# Altium PCB PCB_ESP_R8_POE_3C v2_2023-10-08.pcbdoc (part 1 of 3) (continued)
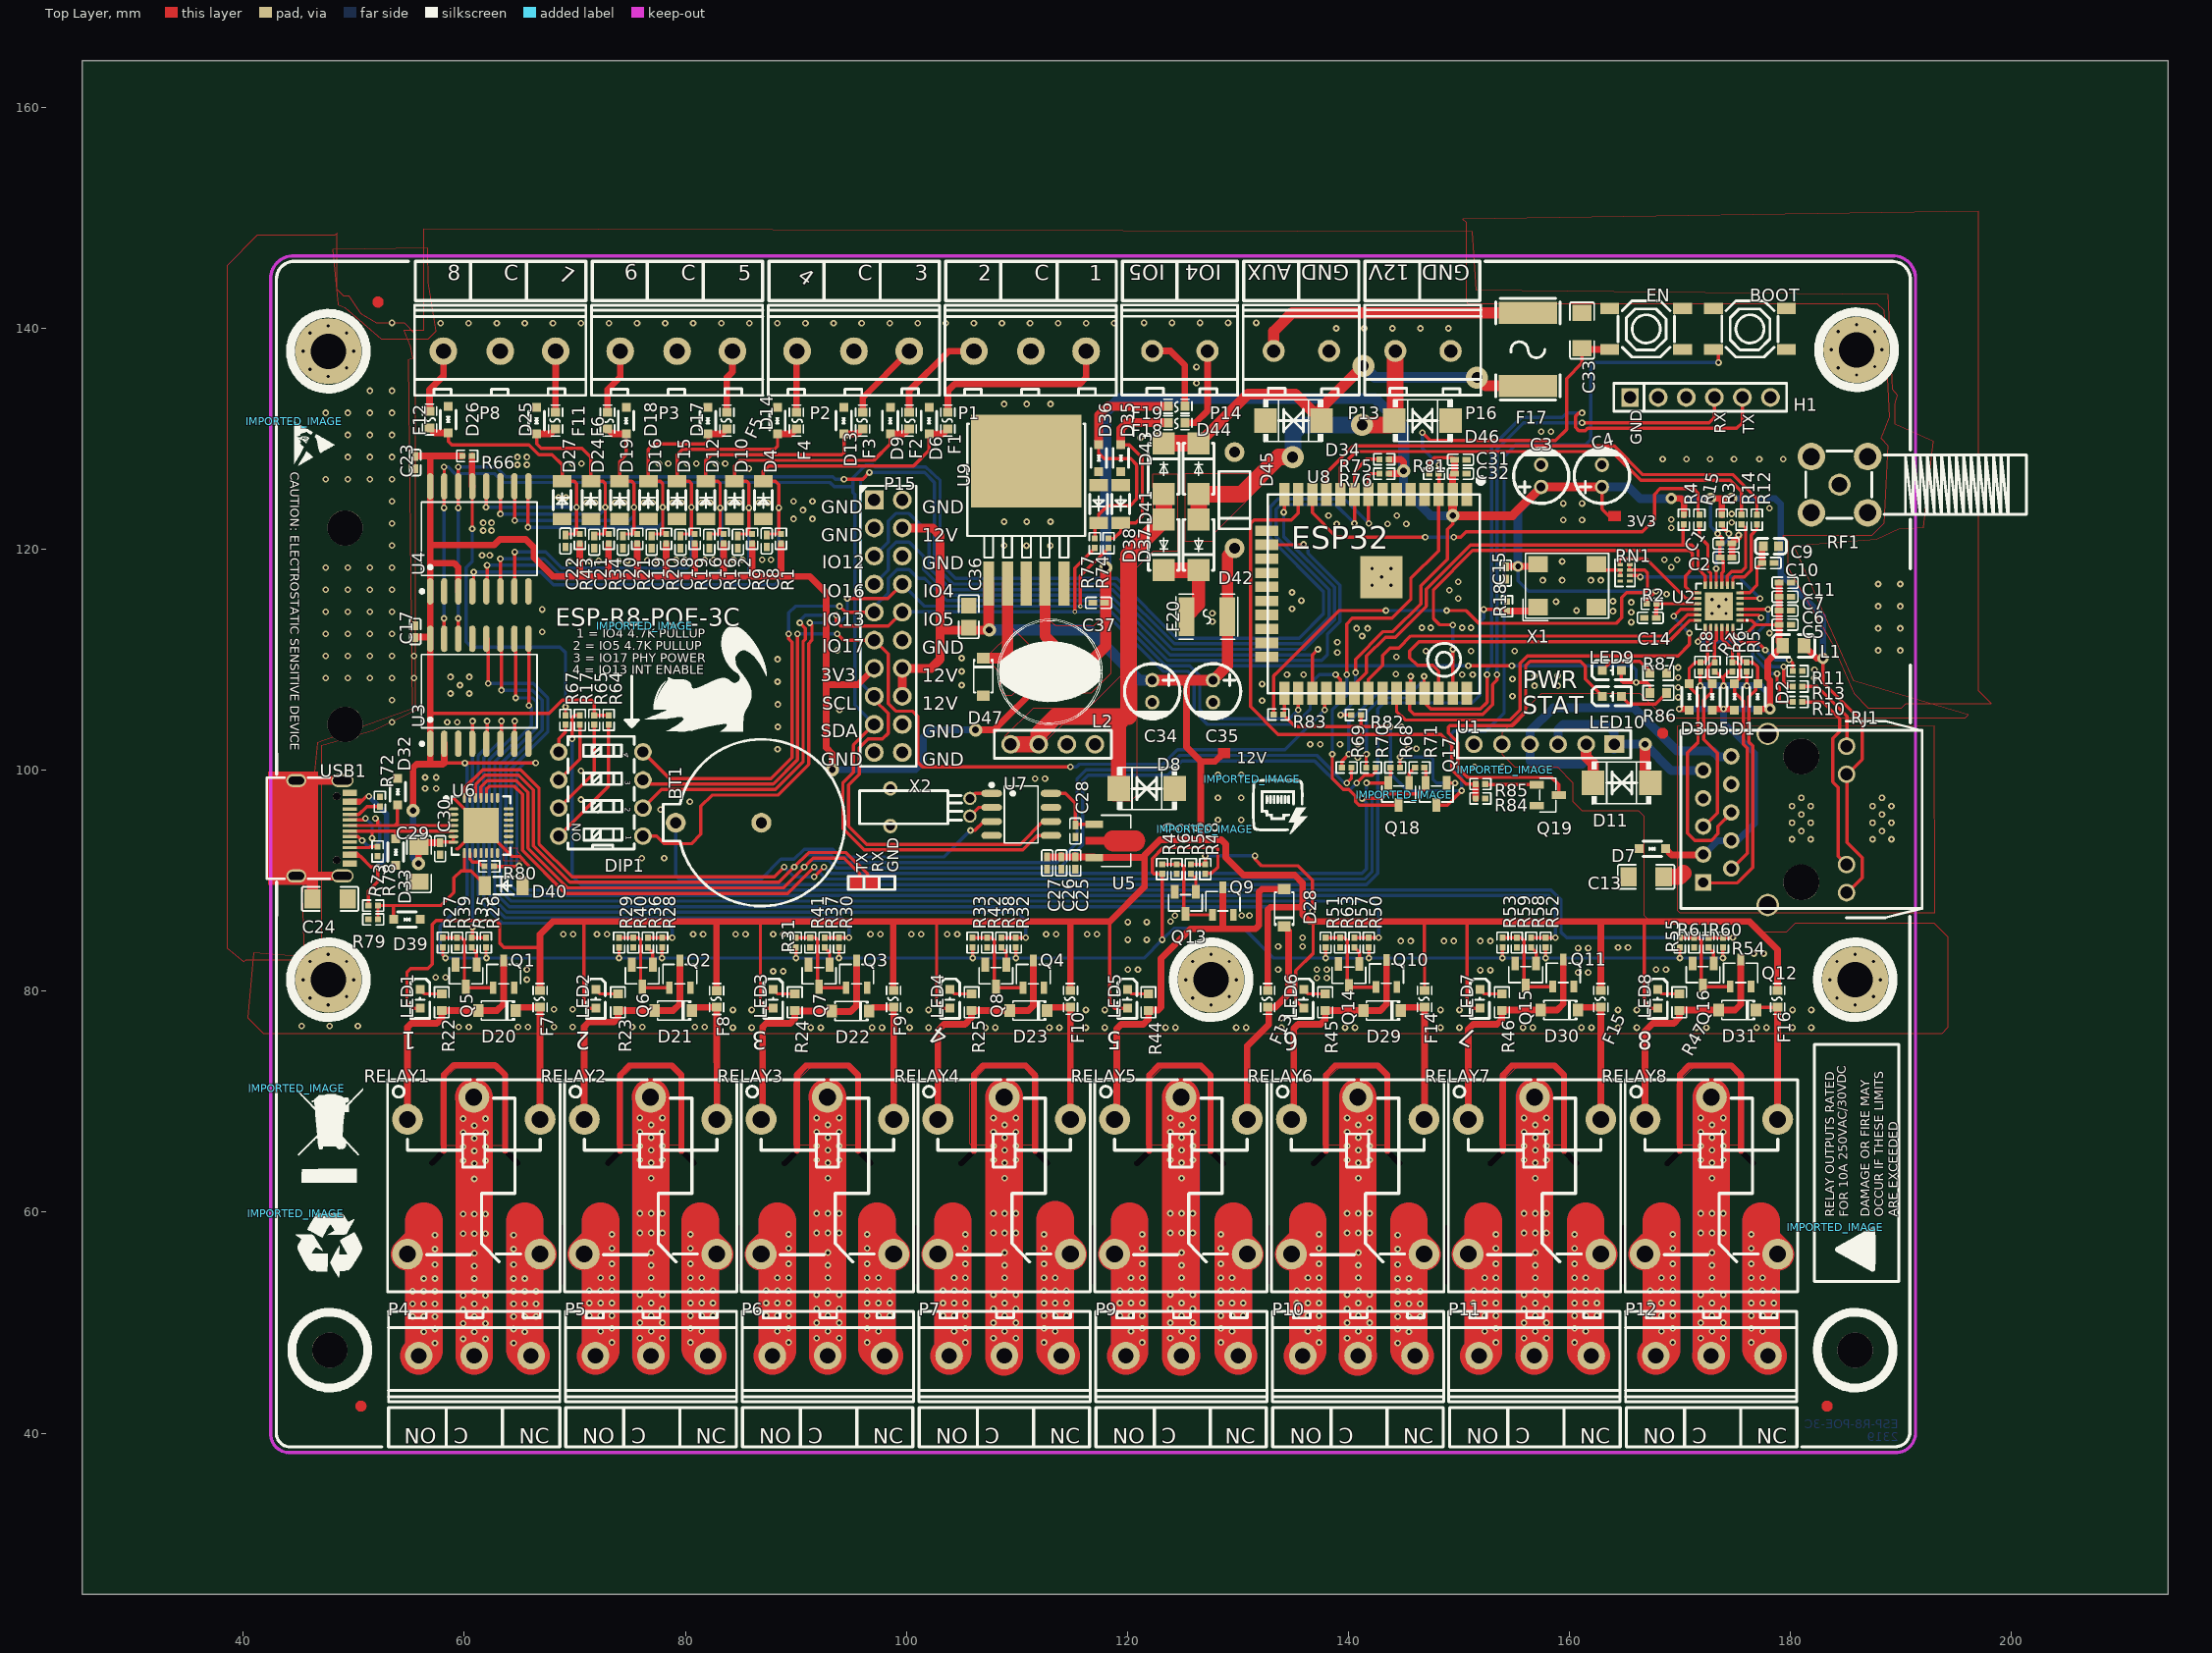
[diagram p0: Top Layer view]
## Components (designator, comment, footprint, x,y, rotation, side; value= is the part's Value field where it differs from the comment) (continued)
R82 "12.1K" R0402 140.7,105.011 r0 top
R83 "470" R0402 133.667,105.052 r180 top
R84 "10K" R0402 151.95,97.46 r0 top
R85 "510Ω" R0402 151.95,98.76 r0 top
R86 "2.2kΩ" R0603 168.051,107.01 r0 top
R87 "2.2kΩ" R0603 168.051,108.811 r0 top
RELAY1 "SRD-12VDC-SL-C" RELAY-TH_SRD-XXVDC-XL-C#1 60.85,63.311 r270 top
RELAY2 "SRD-12VDC-SL-C" RELAY-TH_SRD-XXVDC-XL-C#2 76.85,63.311 r270 top
RELAY3 "SRD-12VDC-SL-C" RELAY-TH_SRD-XXVDC-XL-C#1 92.85,63.311 r270 top
RELAY4 "SRD-12VDC-SL-C" RELAY-TH_SRD-XXVDC-XL-C#1 108.85,63.311 r270 top
RELAY5 "SRD-12VDC-SL-C" RELAY-TH_SRD-XXVDC-XL-C#1 124.85,63.311 r270 top
RELAY6 "SRD-12VDC-SL-C" RELAY-TH_SRD-XXVDC-XL-C#1 140.85,63.311 r270 top
RELAY7 "SRD-12VDC-SL-C" RELAY-TH_SRD-XXVDC-XL-C#1 156.85,63.311 r270 top
RELAY8 "SRD-12VDC-SL-C" RELAY-TH_SRD-XXVDC-XL-C#1 172.85,63.311 r270 top
RF1 "SMA" SMA-TH_HJ-SMA200 184.45,125.861 r180 top
RJ1 "HY931147C" RJ45-TH_HY931147C 178.6,95.561 r180 top
RN1 "33" RES-ARRAY-SMD_0402-8P-L2.0-W1.0-BL 165.036,117.879 r270 top
U1 "BPI7402" BPI7402 136.75,102.361 r180 top
U2 "LAN8720AI-CP-TR" QFN-24_L4.0-W4.0-P0.50-BL-EP2.6 173.545,114.831 r90 top
U3 "PCF8574T/3,518" SOIC-16_L10.3-W7.5-P1.27-LS10.3-BL 61.35,107.161 r0 top
U4 "PCF8574T/3,518" SOIC-16_L10.3-W7.5-P1.27-LS10.3-BL 61.351,120.96 r0 top
U5 "78L05G-AB3-R" SOT-89-3_L4.5-W2.5-P1.50-LS4.2-BR 118.35,93.612 r180 top
U6 "CP2102-GMR" WQFN-28_L5.0-W5.0-P0.50-BL-EP3.2 61.5,95.011 r270 top
U7 "DS1307ZN+" SOP-8_L4.9-W3.9-P1.27-LS6.0-BL 110.401,96.01 r270 top
U8 "ESP32-WROOM-32U-N16" WIFIM-SMD_38P-L19.2-W18.0-P1.27 141.667,115.973 r0 top
U9 "LM2596S-3.3" TO-263-5_L10.0-W8.4-P1.70-LS15.3-BR 110.849,122.461 r270 top
USB1 "KH-TYPE-C-16P" USB-C-SMD_KH-TYPE-C-16P 47.2,94.761 r270 top
X1 "50MHz" OSC-SMD_4P-L7.0-W5.0-BL 159.8,116.711 r0 top
X2 "32.768KHz" OSC-TH_BD3.1-P0.8-D0.3 105.75,96.661 r0 top

## Footprints (in the part's own frame and the unit in brackets; to place one, negate y for a bottom-side part, rotate by r counter-clockwise, add the part's x,y. Pads: shape width x height; smd on the part's side, far side on the other; paste and mask are expansions set on the pad)
BAT-TH_BS-12-A1AJ002-F [mm]
  round 1.8 hole 1 paste+0 mask+0.051: 1(0,3.875) 2(0,-3.875)
  silkscreen extent -7.55,-11.42 7.55,5.02
BPI7402 [mm]
  rect 1.8x1.6 hole 1.02 paste+0 mask+0.051: 1(-27.31,0)
  round 1.6 hole 1.02 paste+0 mask+0.051: 2(-24.77,0) 3(-22.23,0) 4(-19.69,0) 5(-17.15,0) 6(-14.61,0)
  round 1.7 hole 1.1 paste+0 mask+0.051: 7(19.69,0) 8(22.23,0) 9(24.77,0) 10(27.31,0)
  silkscreen extent -28.81,-1.27 28.79,1.27
C0402 [mm]
  rect 0.79x0.54 smd paste-100 mask+0.051: 1(-0.545,0) 2(0.545,0)
  silkscreen extent -1.17,-0.5 1.17,0.5
C0402_NEW [mm]
  rect 0.79x0.54 smd paste-100 mask+0.051: 1(-0.545,0) 2(0.545,0)
  silkscreen extent -1.17,-0.5 1.17,0.5
C0603 [mm]
  rect 0.8x0.9 smd paste+0 mask+0.051: 1(-0.7,0) 2(0.7,0)
  silkscreen extent -1.41,-0.71 1.39,0.72
C0805 [mm]
  rect 1.41x1.35 smd paste-100 mask+0.051: 1(-1,0) 2(1,0)
  silkscreen extent -1.96,-0.9 1.96,0.9
C1206 [mm]
  rect 1.485x1.728 smd paste-100 mask+0.051: 1(-1.593,0) 2(1.593,0)
  silkscreen extent -2.56,-1.09 2.56,1.09
CAP-TH_BD5.0-P2.00-D0.8-FD [mm]
  round 1.3 hole 0.8 paste+0 mask+0.051: 1(-1,0) 2(1,0)
  silkscreen extent -2.5,-2.5 2.5,2.5
CONN-TH_2P-P5.00_CPC3703CTR [mm]
  round 2 hole 1.2 paste+0 mask+0.051: 1(-2.504,0) 2(2.504,0)
  silkscreen extent -5.24,-4.16 5.27,4
CONN-TH_3P-P5.00_WJ127-5.0-3P [mm]
  round 2.5 hole 1.4 paste+0 mask+0.051: 1(-5.08,0) 2(-0.071,0) 3(5.08,0)
  silkscreen extent -7.82,-4.16 7.69,4
DO-41_BD2.4-L4.7-P8.70-D0.9-RD [mm]
  round 1.8 hole 1 paste+0 mask+0.051: 1(-4.35,0) 2(4.35,0)
  silkscreen extent -2.6,-1.4 2.6,1.4
DO-214AC_L4.3-W2.7-LS5.3-RD [mm]
  rect 2x2 smd paste+0 mask+0.051: 1(-2.3,0) 2(2.3,0)
  silkscreen extent -2.3,-1.4 2.3,1.4
F0603 [mm]
  rect 0.806x0.864 smd paste-100 mask+0.051: 1(-0.753,0) 2(0.753,0)
  silkscreen extent -1.4,-0.64 1.4,0.64
F1812 [mm]
  rect 1.407x3.499 smd paste-100 mask+0.051: 1(-1.853,0) 2(1.853,0)
  silkscreen extent -2.79,-2.03 2.79,2.03
F2920 [mm]
  rect 2x5.3 smd paste+0 mask+0.051: 1(-3.3,0) 2(3.3,0)
  silkscreen extent -4.6,-2.9 4.6,2.9
HDR-TH_06P-P2.54-V-M [mm]
  rect 1.575x1.7 hole 1.1 paste+0 mask+0.051: 1(-6.35,0)
  round 1.7 hole 1.1 paste+0 mask+0.051: 2(-3.81,0) 3(-1.27,0) 4(1.27,0) 5(3.81,0) 6(6.35,0)
  silkscreen extent -7.82,-1.27 7.82,1.27
HDR-TH_20P-P2.54-V-R2-C10-S2.54 [mm]
  rect 1.7x1.7 hole 1.1 paste+0 mask+0.051: 1(-11.43,-1.27)
  round 1.7 hole 1.1 paste+0 mask+0.051: 2(-11.43,1.27) 3(-8.89,-1.27) 4(-8.89,1.27) 5(-6.35,-1.27) 6(-6.35,1.27) 7(-3.81,-1.27) 8(-3.81,1.27) 9(-1.27,-1.27) 10(-1.27,1.27) 11(1.27,-1.27) 12(1.27,1.27) 13(3.81,-1.27) 14(3.81,1.27) 15(6.35,-1.27) 16(6.35,1.27) 17(8.89,-1.27) 18(8.89,1.27) 19(11.43,-1.27) 20(11.43,1.27)
  silkscreen extent -12.7,-2.54 12.7,2.54
IMPORTED_IMAGE [mm]
IND-TH_BD9.0-P3.50-D0.6_VL0810 [mm]
  round 1.5 hole 1 paste+0 mask+0.051: 1(-2.75,0) 2(2.75,0)
  silkscreen extent -4.75,-4.79 4.74,4.71
L0805 [mm]
  rect 1.133x1.377 smd paste-100 mask+0.051: 1(-0.966,0) 2(0.966,0)
  silkscreen extent -1.95,-1.02 1.86,1.02
LED0603-R-RD_WHITE [mm]
  rect 0.8x0.8 smd paste+0 mask+0.051: 1(0.851,0) 2(-0.851,0)
  silkscreen extent -1.82,-0.86 1.77,0.86
LL-34_L3.5-W1.5-RD [mm]
  rect 1.1x1.7 smd paste+0 mask+0.051: 1(-1.7,0) 2(1.7,0)
  silkscreen extent -0.9,-0.8 0.9,0.8
OSC-SMD_4P-L7.0-W5.0-BL [mm]
  rect 1.8x1.5 smd paste+0 mask+0.051: 1(-2.64,-1.95) 2(2.64,-1.95) 3(2.64,1.95) 4(-2.64,1.95)
  silkscreen extent -4,-3.16 3.77,2.93
OSC-TH_BD3.1-P0.8-D0.3 [mm]
  round 1.2 hole 0.8 paste+0 mask+0.051: 1(0,0.8) 2(0,-0.8)
  silkscreen extent -10,-1.5 -0.7,1.5
QFN-24_L4.0-W4.0-P0.50-BL-EP2.6 [mm]
  rect 0.28x0.665 smd paste-100 mask+0.05: 1(-1.25,-1.907) 2(-0.75,-1.907) 3(-0.25,-1.907) 4(0.25,-1.907) 5(0.75,-1.907) 6(1.25,-1.907) 13(1.25,1.907) 14(0.75,1.907) 15(0.25,1.907) 16(-0.25,1.907) 17(-0.75,1.907) 18(-1.25,1.907)
  rect 0.665x0.28 smd paste-100 mask+0.05: 7(1.907,-1.25) 8(1.907,-0.75) 9(1.907,-0.25) 10(1.907,0.25) 11(1.907,0.75) 12(1.907,1.25) 19(-1.907,1.25) 20(-1.907,0.75) 21(-1.907,0.25) 22(-1.907,-0.25) 23(-1.907,-0.75) 24(-1.907,-1.25)
  rect 2.55x2.55 smd paste-100 mask+0.05: 25(0,0)
  silkscreen extent -2.08,-2.61 2.08,2.08
R0402 [mm]
  rect 0.566x0.54 smd paste-100 mask+0.051: 1(-0.433,0) 2(0.433,0)
  silkscreen extent -0.94,-0.5 0.94,0.5
R0603 [mm]
  rect 0.806x0.864 smd paste-100 mask+0.051: 1(-0.753,0) 2(0.753,0)
  silkscreen extent -1.39,-0.66 1.39,0.66
RELAY-TH_SRD-XXVDC-XL-C#1 [mil]
  round 110 hole 60 paste+0 mask+2: 1(-200.79,-236.22) 2(279.53,-236.2) 3(279.53,236.2) 4(-200.79,236.22) 5(-279.53,0)
  silkscreen extent -342,-307 413,307
RELAY-TH_SRD-XXVDC-XL-C#2 [mil]
  round 110 hole 60 paste+0 mask+2: 1(-200.79,-236.22) 4(-200.79,236.22)
  round 110 hole 60 paste+0 mask+2.01: 2(279.52,-236.22) 3(279.53,236.18) 5(-279.52,0)
  silkscreen extent -342,-307 413,307
RES-ARRAY-SMD_0402-8P-L2.0-W1.0-BL [mm]
  rect 0.3x0.505 smd paste+0 mask+0.051: 1(-0.75,0.427) 2(-0.25,0.427) 3(0.25,0.427) 4(0.75,0.427) 5(0.75,-0.428) 6(0.25,-0.428) 7(-0.25,-0.428) 8(-0.75,-0.428)
  silkscreen extent -1.23,-0.91 1.23,0.91
RJ45-TH_HY931147C [mm]
  rect 1.5x1.5 hole 0.9 paste+0 mask+0.051: 1(6.49,5.715)
  round 1.5 hole 0.9 paste+0 mask+0.051: 2(3.95,4.445) 3(6.49,3.175) 4(3.95,1.905) 5(6.49,0.635) 6(3.95,-0.635) 7(6.49,-1.905) 8(3.95,-3.175) 9(6.49,-4.445) 10(3.95,-5.715)
  round 1.6 hole 1.1 paste+0 mask+0.051: 11(-6.49,6.629) 12(-6.49,4.089) 13(-6.49,-4.089) 14(-6.49,-6.629)
  round 2.029 hole 1.631 paste+0 mask+0.051: GND1(0.648,7.747) GND2(0.648,-7.747)
  round 3.25 hole 3.25 unplated paste+0: ""(-2.4,5.7) ""(-2.4,-5.7)
  silkscreen extent -13.32,-8.89 8.52,8.89
SMA-TH_HJ-SMA200 [mm]
  round 2 hole 1.4 paste+0 mask+0.051: 1(0,0)
  round 2.5 hole 1.55 paste+0 mask+0.051: 2(-2.55,2.55) 3(-2.55,-2.55) 4(2.55,-2.55) 5(2.55,2.55)
  silkscreen extent -16.92,-3.05 3.05,3.05
SMB_L4.4-W3.6-LS5.4-BI [mil]
  rect 80.61x88.23 smd paste+0 mask+2: 1(-100,0) 2(100,0)
  silkscreen extent -105,-75 108,75
SMB_L4.6-W3.6-LS5.3-BI [mm]
  rect 2.047x2.241 smd paste+0 mask+0.051: 1(-2.591,0) 2(2.591,0)
  silkscreen extent -2.67,-1.91 2.74,1.91
SOD-123_L2.8-W1.8-LS3.7-RD [mm]
  rect 0.95x1.15 smd paste+0 mask+0.051: 1(-1.693,0) 2(1.693,0)
  silkscreen extent -1.58,-0.87 1.41,0.87
SOD-323_L1.7-W1.3-LS2.5-BI [mm]
  rect 0.8x0.8 smd paste+0 mask+0.051: 1(-1.205,0) 2(1.205,0)
  silkscreen extent -0.86,-0.68 0.84,0.72
SOIC-16_L10.3-W7.5-P1.27-LS10.3-BL [mm]
  oval 0.574x2.401 smd paste+0 mask+0.051: 1(-4.445,-4.75) 2(-3.175,-4.75) 3(-1.905,-4.75) 4(-0.635,-4.75) 5(0.635,-4.75) 6(1.905,-4.75) 7(3.175,-4.75) 8(4.445,-4.75) 9(4.445,4.75) 10(3.175,4.75) 11(1.905,4.75) 12(0.635,4.75) 13(-0.635,4.75) 14(-1.905,4.75) 15(-3.175,4.75) 16(-4.445,4.75)
  silkscreen extent -5.33,-4.9 5.23,3.32
SOP-8_L4.9-W3.9-P1.27-LS6.0-BL [mm]
  oval 0.63x1.865 smd paste+0 mask+0.051: 1(-1.905,-2.682) 2(-0.635,-2.682) 3(0.635,-2.682) 4(1.905,-2.682) 5(1.905,2.682) 6(0.635,2.682) 7(-0.635,2.682) 8(-1.905,2.682)
  silkscreen extent -2.82,-2.83 2.58,1.52
SOT-23-3_L2.9-W1.3-P1.90-LS2.4-BR [mm]
  rect 1.25x0.7 smd paste+0 mask+0.051: 1(1,-0.95) 2(1,0.95) 3(-1,0)
  silkscreen extent -0.73,-1.53 0.73,1.53
SOT-23-3_L2.9-W1.6-P1.90-LS2.8-BR [mm]
  rect 1.07x0.6 smd paste+0 mask+0.051: 1(1.235,-0.95) 2(1.235,0.95) 3(-1.235,0)
  silkscreen extent -0.88,-1.54 0.88,1.54
SOT-89-3_L4.5-W2.5-P1.50-LS4.2-BR [mm]
  rect 1.575x0.672 smd paste+0 mask+0.051: 1(1.356,-1.5) 3(1.356,1.5)
  Top Layer region: -2.283,0.95 -0.429,0.95 -0.384,0.949 -0.34,0.946 -0.296,0.94 -0.252,0.933 -0.208,0.924 -0.165,0.912 -0.123,0.899 -0.081,0.884 -0.04,0.866 0,0.847 0.04,0.826 0.078,0.803 0.115,0.779 0.151,0.752 0.185,0.724 0.219,0.695 0.251,0.664 0.281,0.631 0.31,0.597 0.337,0.562 0.362,0.525 0.386,0.488 0.408,0.449 0.428,0.409 0.447,0.33 2.144,0.33 2.144,-0.33 0.447,-0.33 0.428,-0.409 0.408,-0.449 0.386,-0.488 0.362,-0.526 0.337,-0.562 0.31,-0.597 0.281,-0.631 0.251,-0.664 0.219,-0.695 0.185,-0.725 0.151,-0.753 0.115,-0.779 0.078,-0.804 0.04,-0.827 0,-0.848 -0.04,-0.867 -0.081,-0.884 -0.123,-0.899 -0.165,-0.913 -0.208,-0.924 -0.252,-0.934 -0.296,-0.941 -0.34,-0.946 -0.384,-0.949 -0.429,-0.95 -2.283,-0.95 -2.328,-0.949 -2.372,-0.946 -2.416,-0.941 -2.46,-0.934 -2.504,-0.924 -2.547,-0.913 -2.589,-0.899 -2.631,-0.884 -2.672,-0.867 -2.713,-0.848 -2.752,-0.827 -2.79,-0.804 -2.827,-0.779 -2.863,-0.753 -2.898,-0.725 -2.931,-0.695 -2.963,-0.664 -2.993,-0.631 -3.022,-0.597 -3.049,-0.562 -3.075,-0.526 -3.098,-0.488 -3.12,-0.449 -3.141,-0.409 -3.159,-0.369 -3.175,-0.327 -3.189,-0.285 -3.202,-0.242 -3.212,-0.199 -3.22,-0.155 -3.227,-0.111 -3.231,-0.067 -3.233,-0.022 -3.233,0.022 -3.231,0.067 -3.227,0.111 -3.22,0.155 -3.212,0.199 -3.202,0.242 -3.189,0.285 -3.175,0.327 -3.159,0.369 -3.141,0.409 -3.12,0.449 -3.098,0.488 -3.075,0.525 -3.049,0.562 -3.022,0.597 -2.993,0.631 -2.963,0.664 -2.931,0.695 -2.898,0.724 -2.863,0.752 -2.827,0.779 -2.79,0.803 -2.752,0.826 -2.713,0.847 -2.672,0.866 -2.631,0.884 -2.589,0.899 -2.547,0.912 -2.504,0.924 -2.46,0.933 -2.416,0.94 -2.372,0.946 -2.328,0.949
  silkscreen extent -1.95,-2.33 0.7,2.33
SW-SMD_4P-L5.1-W5.1-P3.70-LS6.5-TL-2 [mm]
  rect 1.7x1 smd paste+0 mask+0.051: 1(-3.3,1.85) 2(3.3,1.85) 3(-3.3,-1.85) 4(3.3,-1.85)
  silkscreen extent -2.55,-2.55 2.55,2.55
SW-TH_DSIC04LHGET [mm]
  round 1.6 hole 1 paste+0 mask+0.051: 1(-3.81,-3.81) 2(-1.27,-3.81) 3(1.27,-3.81) 4(3.81,-3.81) 5(3.81,3.81) 6(1.27,3.81) 7(-1.27,3.81) 8(-3.81,3.81)
  silkscreen extent -4.97,-3.03 5.21,2.98
TO-263-5_L10.0-W8.4-P1.70-LS15.3-BR [mm]
  rect 4x1.02 smd paste+0 mask+0.051: 1(5.55,-3.4) 2(5.55,-1.7) 3(5.55,0) 4(5.55,1.7) 5(5.55,3.4)
  rect 8.4x10 smd paste+0 mask+0.051: 6(-5.55,0)
  silkscreen extent -8.91,-5.33 3.2,5.33
USB-C-SMD_KH-TYPE-C-16P [mm]
  oval 1.2x2 hole 0.7 slot 1.7 at 90 deg paste+0 mask+0.051: 1(-4.32,1.765) 2(4.32,1.765)
  oval 1.2x1.8 hole 0.7 slot 1.4 at 90 deg paste+0 mask+0.051: 3(-4.32,-2.415) 4(4.32,-2.415)
  rect 0.3x1.3 smd paste-100 mask+0.05: A1(-3.35,2.415) A4(-2.55,2.415) A5(-1.25,2.415) A6(-0.25,2.415) A7(0.25,2.415) A8(1.25,2.415) A9(2.55,2.415) A12(3.35,2.415) B1(3.05,2.415) B4(2.25,2.415) B5(1.75,2.415) B6(0.75,2.415) B7(-0.75,2.415) B8(-1.75,2.415) B9(-2.25,2.415) B12(-3.05,2.415)
  round 0.7 hole 0.7 unplated paste+0: ""(-2.89,1.235) ""(2.89,1.235)
  silkscreen extent -4.57,-5.08 4.57,0.57
WIFIM-SMD_38P-L19.2-W18.0-P1.27 [mm]
  rect 0.95x2.1 smd paste+0 mask+0.051: 1(9.045,9) 2(7.775,9) 3(6.505,9) 4(5.235,9) 5(3.965,9) 6(2.695,9) 7(1.425,9) 8(0.155,9) 9(-1.115,9) 10(-2.385,9) 11(-3.655,9) 12(-4.925,9) 13(-6.195,9) 14(-7.465,9) 25(-7.465,-9) 26(-6.195,-9) 27(-4.925,-9) 28(-3.655,-9) 29(-2.385,-9) 30(-1.115,-9) 31(0.155,-9) 32(1.425,-9) 33(2.695,-9) 34(3.965,-9) 35(5.235,-9) 36(6.505,-9) 37(7.775,-9) 38(9.045,-9)
  rect 2.1x0.95 smd paste+0 mask+0.051: 15(-9.045,5.715) 16(-9.045,4.445) 17(-9.045,3.175) 18(-9.045,1.905) 19(-9.045,0.635) 20(-9.045,-0.635) 21(-9.045,-1.905) 22(-9.045,-3.175) 23(-9.045,-4.445) 24(-9.045,-5.715)
  rect 3.8x3.8 smd paste+0 mask+0.051: 39(1.32,1.51)
  silkscreen extent -8.96,-9 10.55,10.51
WQFN-28_L5.0-W5.0-P0.50-BL-EP3.2 [mm]
  oval 0.28x0.9 smd paste-100 mask+0.051: 1(-1.501,-2.5) 2(-1.001,-2.5) 3(-0.501,-2.5) 4(0,-2.5) 5(0.5,-2.5) 6(1.001,-2.5) 7(1.501,-2.5) 15(1.501,2.5) 16(1.001,2.5) 17(0.5,2.5) 18(0,2.5) 19(-0.501,2.5) 20(-1.001,2.5) 21(-1.501,2.5)
  oval 0.9x0.28 smd paste-100 mask+0.051: 8(2.5,-1.501) 9(2.5,-1.001) 10(2.5,-0.5) 11(2.5,0) 12(2.5,0.5) 13(2.5,1.001) 14(2.5,1.501) 22(-2.5,1.501) 23(-2.5,1.001) 24(-2.5,0.5) 25(-2.5,0) 26(-2.5,-0.5) 27(-2.5,-1.001) 28(-2.5,-1.501)
  rect 3.2x3.2 smd paste-100 mask+0.051: 29(0,0)
  silkscreen extent -2.65,-3.3 2.65,2.65

## Free pads (board coordinates)
  round 6 hole 3.2 paste+0 mask+0.051: 2(47.688,81.049) 2(47.688,137.945) 2(127.571,81.049) 2(185.864,81.049) 2(185.991,138.072)
  round 1.3 hole 0.8 paste+0 mask+0.051: 2(98.55,94.961) 2(98.55,98.361)
  rect 0.95x1.15 smd paste+0 mask+0.051: 2(157.407,78.311)
  round 3.2 hole 3.2 unplated paste+0: ""(47.815,47.521) ""(49.212,104.163) ""(49.212,121.943) ""(185.864,47.521)
  round 0.6 hole 0.3 paste+0 mask+0.051: ""(180.148,95.262) ""(180.149,93.762) ""(180.149,96.762) ""(180.998,97.512) ""(180.999,94.512) ""(180.999,96.012) ""(181.848,93.762) ""(181.848,95.262) ""(181.848,96.762) ""(187.448,93.762) ""(187.448,95.262) ""(187.448,96.762) ""(188.298,97.512) ""(188.299,94.512) ""(188.299,96.012) ""(189.148,93.762) ""(189.148,95.262) ""(189.148,96.762)

## Via types
v1: diameter 0.6, hole 0.3, Top Layer to Bottom Layer, tented both sides, 1151 vias
v2: diameter 1.2, hole 0.6, Top Layer to Bottom Layer, tented both sides, 9 vias
v3: diameter 1, hole 0.5, Top Layer to Bottom Layer, tented both sides, 6 vias
v4: diameter 2, hole 1, Top Layer to Bottom Layer, tented both sides, 4 vias
v5: diameter 0.4, hole 0.2, Top Layer to Bottom Layer, tented both sides, 2 vias

## Nets (pads, with @x,y where several pads share a name; then routed paths per layer and width w, separated by ;. In a path a pad name is that pad's centre, name@x,y a point inside that pad or via, vN(x,y) a via of type N, cw(c..) or ccw(c..) an arc to the next point about the centre after c; other vN are vias at no path point)
3V3: C1.1 C2.1 C3.1 C4.1 C15.1 C17.1 C23.1 C29.2 C30.1 C31.1 C32.1 C37.1 L1.1 L2.2 P15.13 R1.1 R2.1 R3.1 R4.1 R9.1 R16.1 R19.1 R20.1 R21.1 R26.1 R27.1 R28.1 R29.1 R30.1 R31.1 R32.1 R33.1 R34.1 R43.1 R48.1 R49.1 R50.1 R51.1 R52.1 R53.1 R54.1 R55.1 R64.1 R65.1 R66.1 R75.1 R76.1 R80.2 R81.1 R82.1 RJ1.11 RJ1.13 U2.9 U3.1 U3.2 U3.16 U4.1 U4.3 U4.16 U6.6 U6.7 U8.2 U9.4 X1.4 | length 602.7
  Top Layer w0.3: 56.949,105.362 56.949,105.161 67.65,105.161 68.849,106.36 71.549,106.36 71.749,106.162 R65.1@71.749,104.995 R64.1@73.05,104.995 ; C30.1@57.8,93.456 57.854,93.51 U6.7@59,93.51 U6.6@59,94.01 ; R27.1@58.051,83.978 58.051,83.261 v1(58.3,83.011) ; 58.15,100.661 58.226,100.661 v1(60.05,100.661) ; v1(60.05,100.661) v1(66.449,100.661) ; R26.1@61.95,83.978 61.95,83.061 v1(62,83.011) ; R80.2@62.683,91.311 64.9,91.311 v1(64.95,91.361) ; v1@73.992,83.01 R29.1@74,83.978 ; v1(77.892,83.01) R28.1@77.9,83.978 ; v1@90,83.011 R31.1@90,83.978 ; v1(93.899,83.01) R30.1@93.901,83.978 ; v1@105.999,83.01 R33.1@106,83.978 ; R32.1@109.9,83.978 v1@109.91,83.01 ; v1(123.154,84.664) R49.1@123.15,90.628 122.382,90.627 122.25,90.762 122.25,92.012 123.25,93.01 128.051,93.01 128.201,92.86 128.201,91.26 127.599,90.66 127.083,90.66 R48.1@127.05,90.628 ; v1(137.943,83.01) R51.1@137.95,83.978 ; v1(139.3,105.011) R82.1@140.267,105.011 ; v1(140.65,108.861) 140.65,110.061 143.149,112.56 144.05,112.56 146.55,115.06 146.55,116.711 148.95,119.111 148.95,121.811 149.451,122.311 v2@149.451,123.061 ; R50.1@141.851,83.978 v1(141.854,83.01) ; R81.1@147.317,126.861 147.317,127.878 147.75,128.311 149.405,128.311 C31.1@149.604,128.11 ; v1(153.945,83.01) R53.1@153.95,83.978 ; R52.1@157.85,83.978 v1(157.856,83.01) ; C4.1@162.95,125.661 162.95,123.661 163.75,122.861 ; R2.1@167.016,115.085 167.016,115.414 v1(167.83,116.228) ; v1(169.996,83.01) R55.1@170,83.978 ; v1(173.418,121.435) 173.799,121.054 173.799,120.71 C1.1@173.635,120.546 C2.1@173.635,119.276 173.926,118.985 173.926,118.006 173.794,117.874 U2.9@173.795,116.738 ; v1(173.901,83.01) R54.1@173.901,83.978 ; v3(182.943,110.132) 182.943,107.973 186.499,104.417 186.499,101.001 185.115,99.616 185.115,93.482 186.499,92.098 186.499,90.282 RJ1.11@185.115,88.898
  Top Layer w0.6: v2(55.351,96.36) 55.351,100.226 55.686,100.561 56.949,100.561 58.05,100.561 58.15,100.661 ; C17.1@55.55,112.016 55.595,112.061 U3.16@56.905,112.061 ; C23.1@55.549,128.405 55.549,128.461 57.65,128.461 ; v2(55.85,91.561) 55.849,93.104 C29.2@55.9,93.104 55.9,93.457 C30.1@57.8,93.456 ; 56.905,100.561 U3.1@56.905,102.411 ; U3.1@56.905,102.461 U3.16@56.905,112.061 ; U4.1@56.905,116.21 U3.16@56.905,112.061 ; U4.16@56.905,125.711 56.905,128.461 R66.1@59.818,128.461 ; U4.1@56.906,116.06 56.906,118.716 ; U4.16@56.906,125.71 56.906,120.762 56.906,120.389 ; 58.176,100.66 U3.2@58.176,102.461 ; U4.3@59.445,116.21 59.445,118.366 59.05,118.761 56.95,118.761 56.906,118.716 ; R43.1@70.449,120.527 70.449,117.561 ; R34.1@73.05,120.527 73.05,117.561 ; R21.1@75.65,120.528 75.65,117.561 ; R20.1@78.249,120.527 78.25,117.561 ; R19.1@80.85,120.527 80.85,117.561 ; R16.1@83.45,120.528 83.45,117.561 ; R9.1@86.05,120.527 86.05,117.561 ; 88.65,117.561 86.05,117.561 ; R1.1@88.651,120.527 88.651,117.561 91.249,117.561 92.75,116.06 92.75,107.762 ; v2@93.301,100.061 93.301,101.511 92.75,102.06 92.75,107.762 ; P15.13@97.091,109.243 95.61,107.762 92.75,107.762 ; v2(106.25,103.661) 107.949,103.66 112.2,107.911 114.7,107.911 L2.2@115.75,108.961 ; R76.1@143.682,126.871 145,126.871 145,127.112 145,127.912 144.749,128.161 R75.1@143.683,128.161 ; U8.2@149.442,124.973 149.442,126.698 C32.1@149.604,126.86 ; C32.1@149.55,126.76 149.55,126.806 C32.1@149.604,126.86 ; C31.1@149.605,128.111 C32.1@149.605,126.861 ; C15.1@154.251,118.387 154.325,118.461 v3(155.35,118.461) 156.96,118.461 X1.4@157.16,118.661 157.189,118.632 X1.4@157.189,118.438 ; v3(169.227,124.61) 170.116,124.61 170.37,124.356 R4.1@170.37,123.138 ; v3(172.783,124.61) v3(174.688,124.61) ; 173.785,124.61 173.799,124.596 R3.1@173.799,123.138 ; L1.1@181.242,111.275 182.385,110.132 v3(182.943,110.132) ; 56.906,118.717 56.906,120.389 ; 56.906,120.389 62.678,120.389 63.2,120.911 65.55,120.911 66.3,120.161 66.3,119.261 67.999,117.561 70.449,117.561 ; 70.449,117.561 73.05,117.561 ; 73.05,117.561 75.65,117.561 ; 75.65,117.561 78.25,117.561 ; 78.25,117.561 80.85,117.561 ; 80.85,117.561 83.45,117.561 ; 83.45,117.561 86.05,117.561
  Top Layer w0.8: U8.2@149.442,124.973 149.442,123.568 149.45,123.561 v2(149.45,123.061) 154.85,123.061 157.45,125.661 C4.1@162.95,125.661
  Top Layer w1: U9.4@112.549,116.911 112.55,112.161 L2.2@115.75,108.961 118.05,111.261 v2(118.05,118.361)
  Bottom Layer w0.3: v1(58.3,83.011) v1(62,83.011) ; v1@58.305,83.005 57.8,83.51 57.8,85.9 60.251,88.362 60.251,100.46 v1(60.05,100.661) ; v1@62.001,83.01 73.992,83.01 v1(77.892,83.01) 77.893,83.011 v1(90,83.011) v1(93.899,83.01) v1(93.899,83.01) v1(105.998,83.01) v1(109.909,83.01) 121.5,83.01 v1(123.154,84.664) 124.2,85.71 130.55,85.71 133.25,83.01 v1(137.943,83.01) v1(141.854,83.01) v1(153.945,83.01) v1(157.856,83.01) v1(169.996,83.01) v1(173.901,83.01) ; v1(64.95,91.361) 64.75,91.561 64.75,99.961 65.45,100.661 v1(66.449,100.661) ; v1@139.301,105.011 140.65,106.36 v1(140.65,108.861) ; v3(155.35,118.461) 155.35,117.161 156.283,116.228 v1(167.83,116.228) ; v3(172.783,124.61) 172.783,122.07 v1(173.418,121.435)
  Bottom Layer w0.6: v2(55.351,96.36) 55.351,92.06 v2(55.85,91.561) ; v2(93.3,100.061) 100.85,100.061 101.55,100.761 101.55,103.061 102.149,103.66 v2(106.25,103.661) ; v3(169.227,124.61) v3(172.783,124.61) ; v3(174.688,124.61) 178.625,124.61 179.133,124.102 179.133,117.752 182.943,113.942 v3(182.943,110.132)
  Bottom Layer w0.8: v2(145,127.111) 145,125.511 147.45,123.061 v2@149.45,123.061 ; v3(155.35,118.461) 155.35,123.561 C3.1@157.45,125.661 ; C4.1@162.95,125.661 165.348,125.661 166.399,124.61 v3(169.227,124.61)
  Bottom Layer w1: v2(118.05,118.361) 118.05,132.46 119.25,133.66 142.399,133.66 145,131.062 v2@145,127.112
  other v1: 73.991,83.01
12V: C25.1 C26.1 C27.1 C34.1 C35.1 C36.1 D45.1 F7.1 F8.1 F9.1 F10.1 F13.1 F14.1 F15.1 F16.1 F20.2 LED1.1 LED2.1 LED3.1 LED4.1 LED5.1 LED6.1 LED7.1 LED8.1 LED9.1 P15.4 P15.14 P15.16 R86.1 U5.3 U9.1 | length 393.8
  Top Layer w0.3: LED1.1@56,78.46 55.25,78.46 54.8,78.91 54.8,81.712 55.148,82.06 56.7,82.06 57.101,82.461 57.101,86.06 57.449,86.411 62.849,86.411 63.2,86.06 63.2,84.361 63.591,83.97 66.85,83.97 ; 70.835,86.312 70.835,78.877 71.252,78.46 LED2.1@71.9,78.46 ; 86.786,86.312 86.786,79.025 87.351,78.46 LED3.1@87.95,78.46 ; 102.737,86.312 102.737,79.073 103.35,78.46 LED4.1@103.95,78.46 ; 118.402,86.312 118.402,78.91 118.852,78.46 LED5.1@120,78.46 ; LED6.1@135.95,78.46 135.249,79.161 135.249,81.862 136.814,83.424 136.814,86.312 ; 146.89,86.312 F14.1@146.9,80.064 ; 150.726,86.312 150.726,78.986 151.252,78.46 LED7.1@151.9,78.46 ; v1(150.85,109.461) v1(154.8,109.461) ; LED9.1@164.701,109.061 164.701,108.11 164.85,107.961 v1(166.05,107.961) ; v1(166.05,107.961) 167,107.961 167.296,107.664 R86.1@167.298,107.01 ; 166.786,86.312 166.786,78.974 167.3,78.46 LED8.1@168,78.46
  Top Layer w0.6: F7.1@66.85,80.064 66.85,85.161 68,86.312 118.402,86.312 121.549,89.459 121.549,92.311 122.951,93.711 126.649,93.711 ; 82.806,86.312 82.806,80.086 F8.1@82.832,80.06 ; 98.799,86.312 98.799,80.115 F9.1@98.85,80.064 ; C27.1@112.75,92.155 113.87,92.156 C26.1@114.02,92.306 ; C26.1@114.02,92.155 115.14,92.156 C25.1@115.29,92.306 ; 114.838,86.312 F10.1@114.851,80.063 ; C25.1@115.29,92.155 116.994,92.156 U5.3@116.994,92.111 ; U5.3@116.994,92.112 121.549,92.111 121.549,92.012 ; 125.346,108.161 125.351,102.111 126.649,100.81 ; 128.65,101.511 127.949,100.81 126.649,100.81 ; F13.1@132.7,80.064 132.7,87.361 132.95,87.611 135.664,87.611 135.849,87.796 ; 162.841,86.312 F15.1@162.85,80.064 ; F16.1@178.85,80.064 178.848,83.762 176.301,86.312 136.499,86.312 135.849,86.962 135.849,89.812 135.15,90.51 130.5,90.51 128.899,92.111 128.899,93.31 128.501,93.711 126.649,93.711 ; 126.649,93.711 126.649,100.81
  Top Layer w0.8: P15.16@99.631,106.703 P15.14@99.631,109.243 102.232,109.243 103.05,110.061 103.05,112.711 v2(107.5,112.711) ; P15.4@99.631,121.943 102.368,121.943 103.05,121.261 103.05,112.761
  Top Layer w1: U9.1@107.449,116.911 107.45,112.761 v2(107.5,112.711) ; C34.1@122.251,108.16 C35.1@127.75,108.16 129.053,109.464 F20.2@129.053,113.911 129.053,119.465 D45.1@129.7,120.111
  Bottom Layer w0.3: C35.1@127.75,108.16 129.05,109.461 131.05,109.461 v1(150.85,109.461) ; v1(154.8,109.461) 165.65,109.461 166.05,109.061 v1(166.05,107.961)
  Bottom Layer w1: v2(107.5,112.711) 116.55,112.711 121.1,108.161 C34.1@122.251,108.16
12V_POE: D8.1 D41.2 D43.2 U1.9 U1.10 | length 40.5
  Top Layer w1.4: D8.1@119.21,98.361 119.21,104.222 119.849,104.861
  Top Layer w1.5: U1.10@109.44,102.361 111.98,102.361 U1.9@111.98,102.361 111.98,103.34 113.499,104.861 120.101,104.861 120.101,119.51 D41.2@123.301,122.71 ; D41.2@123.3,122.711 D43.2@123.3,125.01
AUX: D34.1 D43.1 D44.1 F17.2 | length 39.3
  Top Layer w1: D44.1@126.451,129.611 130.901,134.061 135.191,134.061 D34.1@137.589,131.661 137.589,132.852 v4(141.349,136.612) ; v4(151.65,135.561) 152.399,134.811 F17.2@156.25,134.811
  Top Layer w1.5: D43.1@123.3,129.61 D44.1@126.45,129.61
  Bottom Layer w1: v4(141.349,136.612) 142.399,135.561 v4(151.65,135.561)
AVDD: C5.1 C6.1 C7.1 C11.1 D1.2 D2.1 D3.2 D5.1 D7.1 L1.2 R5.1 R6.1 R7.1 R8.1 RJ1.3 RJ1.4 U2.1 U2.19 | length 70
  Top Layer w0.3: v1(171.64,111.656) 171.64,111.783 172.295,112.438 U2.19@172.295,112.924 ; v1(171.85,107.661) R8.1@171.85,108.928 ; R7.1@173.149,108.927 173.283,108.928 173.95,108.261 v1(173.95,107.661) ; 173.85,108.362 174.416,108.928 R6.1@174.749,108.927 ; U2.1@175.452,113.581 176.446,113.581 176.847,113.18 ; v1(175.95,112.311) 175.978,112.311 176.847,113.18 ; v1(176.05,107.661) R5.1@176.049,108.927 ; C5.1@178.969,113.18 176.847,113.18
  Top Layer w0.6: D7.1@168.704,92.91 169.264,92.352 RJ1.3@172.136,92.352 ; v1(169.95,105.561) 170.745,105.561 D3.2@170.85,105.456 ; D5.1@172.95,105.456 173.055,105.561 v1(173.95,105.561) 174.845,105.561 D1.2@174.95,105.456 ; D2.1@177.05,105.456 177.05,105.561 v3(178.15,105.561) ; v3(178.15,105.561) 178.15,108.161 177.949,108.362 177.949,109.86 L1.2@179.308,111.3 ; C11.1@178.969,116.99 C7.1@178.969,115.72 C6.1@178.969,114.45 C5.1@178.969,113.18 178.969,111.616 L1.2@179.31,111.275
  Bottom Layer w0.3: v1(171.64,111.656) 175.295,111.656 v1(175.95,112.311)
  Bottom Layer w0.6: v1(169.95,105.561) v1(173.95,105.561) 177.05,105.561 v3(178.15,105.561) 178.15,106.861 177.35,107.661 v1(176.05,107.661) v1(173.95,107.661) v1(171.85,107.661) ; RJ1.3@172.136,92.352 173.406,93.622 174.676,93.622 175.211,93.622 176.75,95.161 176.75,101.562 173.949,104.361 v1(173.95,105.561)
D21_1: D21.1 F8.2 RELAY2.4 | length 12.6
  Top Layer w0.3: F8.2@82.782,78.504 F8.2@82.832,78.554
  Top Layer w0.6: D21.1@80.592,78.261 80.885,78.554 F8.2@82.832,78.554 RELAY2.4@82.85,68.411
D21_2: D21.2 Q2.3 R23.2 RELAY2.1 | length 22.2
  Top Layer w0.6: RELAY2.1@70.85,68.411 70.85,76.81 71.249,77.211 73.499,77.211 73.901,77.61 73.901,78.258 D21.2@77.207,78.261 ; D21.2@77.207,78.261 78.9,78.261 79.5,78.861 Q2.3@79.5,82.796
D28_1: D28.1 F13.2 RELAY5.4 | length 19.7
  Top Layer w0.6: RELAY5.4@130.85,68.411 130.85,75.061 132.8,77.011 132.8,78.458 F13.2@132.7,78.558 ; F13.2@132.7,78.558 133.398,78.557 134.6,79.76 134.6,85.468 D28.1@134.2,85.868
D28_2: D28.2 Q9.3 R44.2 RELAY5.1 | length 37.2
  Top Layer w0.6: RELAY5.1@118.851,68.41 119.049,68.611 119.049,76.612 119.451,77.01 121.45,77.01 121.899,77.46 R44.2@121.9,78.258 121.952,78.311 122.801,78.311 123.05,78.56 123.05,82.962 125.75,85.662 128.65,85.662 ; Q9.3@128.65,89.396 128.65,85.662 ; D28.2@134.2,89.253 132.191,89.253 131.899,88.961 131.899,85.961 131.599,85.662 128.65,85.662
D30_1: D30.1 F15.2 RELAY7.4 | length 12.3
  Top Layer w0.6: D30.1@160.792,78.311 161.039,78.558 F15.2@162.85,78.558 ; RELAY7.4@162.85,68.411 F15.2@162.85,78.558
D30_2: D30.2 pad.2@157.407,78.311 Q11.3 R46.2 RELAY7.1 | length 22.2
  Top Layer w0.6: RELAY7.1@150.85,68.411 150.85,76.561 151.3,77.01 153.451,77.01 153.901,77.46 R46.2@153.901,78.258 ; R46.2@153.9,78.258 153.953,78.311 pad.2@157.407,78.311 158.9,78.311 159.45,78.861 Q11.3@159.45,82.896
D31_1: D31.1 F16.2 RELAY8.4 | length 12.2
  Top Layer w0.3: D31.1@176.892,78.311 177.139,78.558 F16.2@178.85,78.558
  Top Layer w0.6: RELAY8.4@178.85,68.411 F16.2@178.85,78.558
D31_2: D31.2 Q12.3 R47.2 RELAY8.1 | length 22.1
  Top Layer w0.6: RELAY8.1@166.85,68.411 166.85,76.411 167.55,77.111 169.45,77.111 169.95,77.611 R47.2@169.95,78.258 170.003,78.311 D31.2@173.507,78.311 175,78.311 175.5,78.811 Q12.3@175.5,82.896
D35_1: D35.1 D37.1 F18.1 R74.2 | length 18
  Top Layer w0.3: R74.2@118.3,120.994 118.8,121.011 119.4,121.61 D37.1@119.4,122.41 120.751,122.41 121.351,123.01 121.351,128.311 120.195,129.466 D35.1@119.4,129.466
  Top Layer w0.8: D35.1@119.4,129.466 119.4,130.912 119.951,131.46 F18.1@123.697,131.46
D36_1: D36.1 D38.1 F19.1 R77.2 | length 23.4
  Top Layer w0.3: R77.2@117.05,120.994 117.05,122.06 D38.1@117.401,122.41 117.401,123.16 118.201,123.96 120.251,123.96 120.85,124.562 120.85,127.661 120.299,128.212 117.899,128.212 117.401,128.712 D36.1@117.401,129.466
  Top Layer w0.8: D36.1@117.401,129.466 117.401,132.161 118.201,132.962 F19.1@123.697,132.962
D41_1: D41.1 D42.1 F20.1 | length 7.8
  Top Layer w1.2: F20.1@125.346,113.911 126.45,115.014 D42.1@126.45,118.111
  Top Layer w1.4: D41.1@123.3,118.111 D42.1@126.45,118.111
DTR: Q17.2 R71.2 U6.28 | length 106.3
  Top Layer w0.3: U6.28@59.999,97.511 59.999,98.397 61.663,100.061 65.1,100.061 66.751,98.41 66.751,93.36 69.75,90.361 88.051,90.361 v1(88.95,91.261) ; v1(91.65,90.361) v1(92.55,91.261) ; v1(141.25,97.461) 143.05,97.461 143.45,97.861 146.45,97.861 146.999,98.411 Q17.2@146.999,98.861 ; R71.2@146.884,100.262 147,100.143 Q17.2@146.999,98.861
  Bottom Layer w0.3: v1(88.95,91.261) 89.85,90.361 v1(91.65,90.361) ; v1(92.55,91.261) 93.15,90.66 141.249,90.66 141.65,91.062 141.65,97.061 v1(141.25,97.461)
EGND: C13.1 pad.@180.148,95.262 pad.@180.149,93.762 pad.@180.149,96.762 pad.@180.998,97.512 pad.@180.999,94.512 pad.@180.999,96.012 pad.@181.848,93.762 pad.@181.848,95.262 pad.@181.848,96.762 pad.@187.448,93.762 pad.@187.448,95.262 pad.@187.448,96.762 pad.@188.298,97.512 pad.@188.299,94.512 pad.@188.299,96.012 pad.@189.148,93.762 pad.@189.148,95.262 pad.@189.148,96.762 RJ1.GND1 RJ1.GND2 | length 1.9
  Top Layer w1.5: C13.1@168.542,90.361 169.95,90.361 170.3,90.711
EN: C33.2 EN.3 Q18.3 R81.2 U8.3 | length 69.6
  Top Layer w0.3: v1(138.55,101.461) 138.549,99.261 139.55,98.26 140.05,98.26 140.649,97.661 140.649,97.16 140.949,96.86 Q18.3@144.551,96.861 ; v1(139.85,108.661) 139.849,113.261 140.35,113.762 143.949,113.762 145.651,115.461 145.651,117.361 148.15,119.86 148.15,122.761 U8.3@148.173,124.973 ; v1(146.7,130.561) 147.401,129.86 158.749,129.86 159.75,130.861 159.75,135.461 161.15,136.86 C33.2@161.15,138.219 ; U8.3@148.173,124.966 148.201,124.966 v1(148.2,127.661)
  Top Layer w0.6: C33.2@161.15,138.219 161.257,138.111 EN.3@163.65,138.111
  Bottom Layer w0.3: v1(138.55,101.461) 138.549,105.509 139.849,106.81 v1(139.85,108.661) ; v1(146.7,130.561) 146.7,129.161 v1(148.2,127.661)